# Altium PCB SkyWar.PcbDoc (part 2 of 3) (continued)
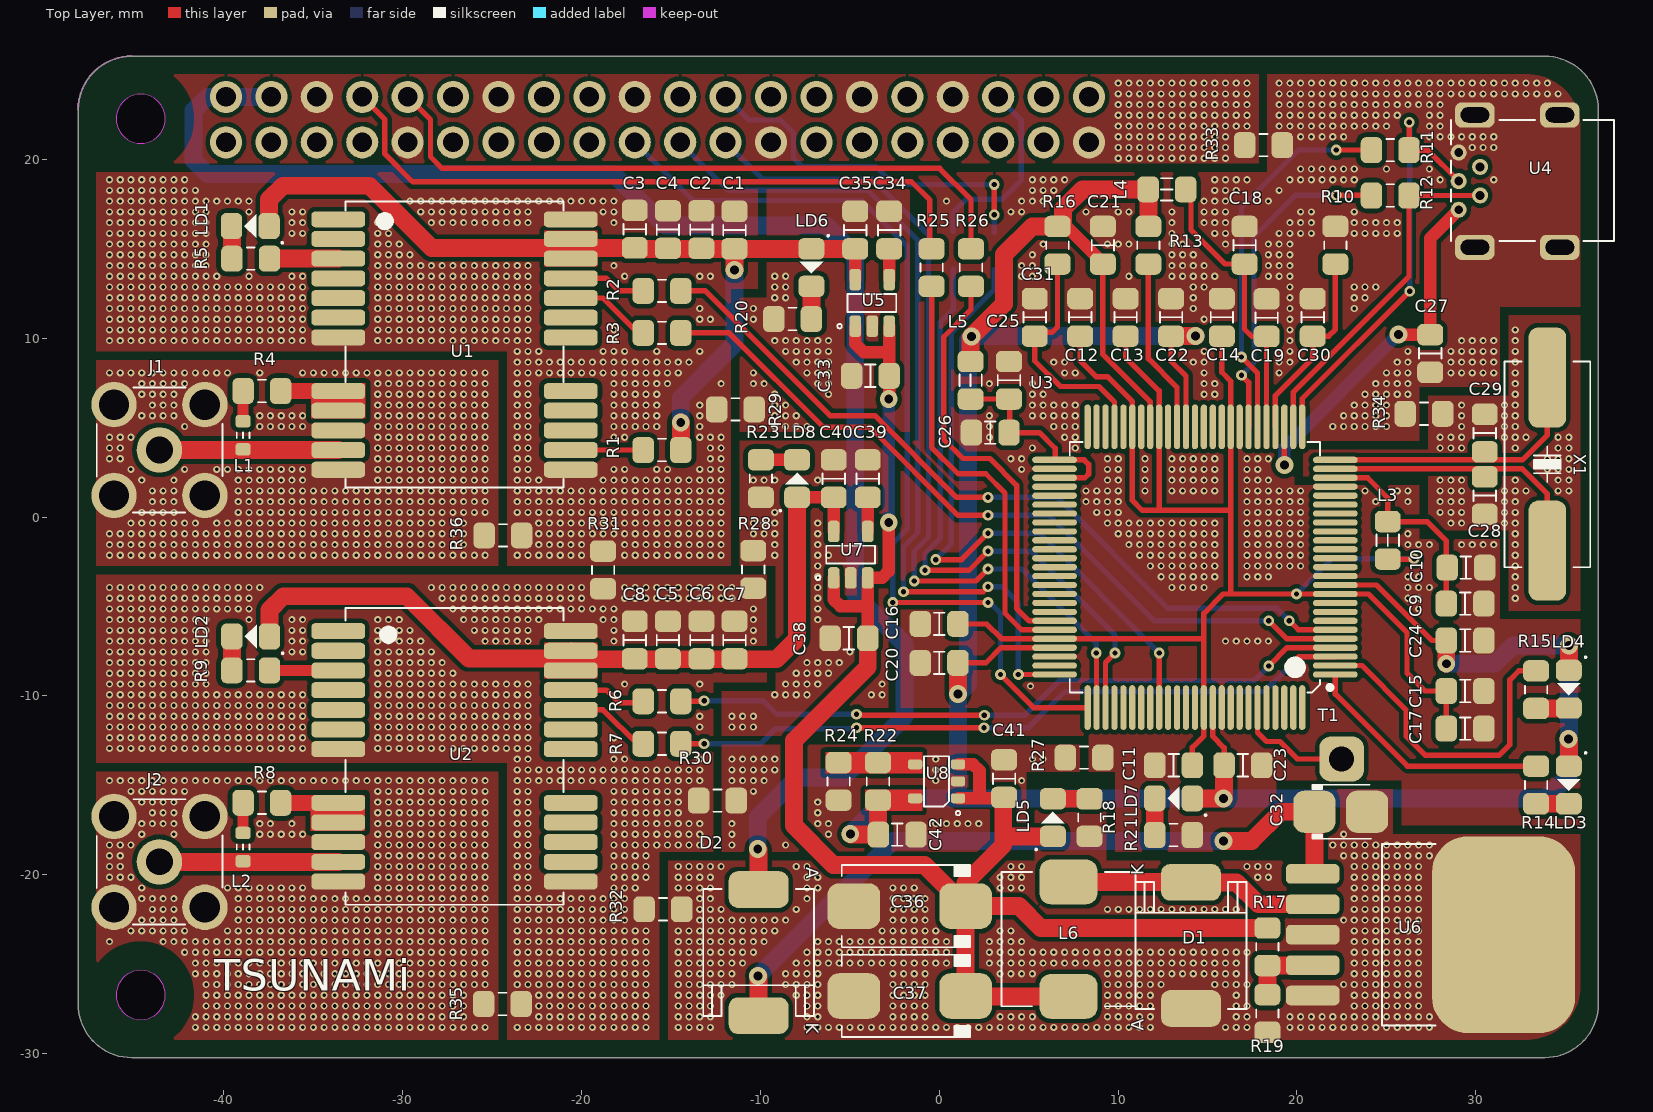
[diagram p0: Top Layer view]
## Nets (pads, with @x,y where several pads share a name; then routed paths per layer and width w, separated by ;. In a path a pad name is that pad's centre, name@x,y a point inside that pad or via, vN(x,y) a via of type N, cw(c..) or ccw(c..) an arc to the next point about the centre after c; other vN are vias at no path point) (continued)
GND_PI: J3.3 J3.7 J3.10 J3.15 J3.17 J3.21 J3.28 J3.36 R33.2
  other v1: 10.004,20.066 10.604,20.066 11.204,20.066 11.804,20.066 12.404,20.066 13.004,20.066 13.604,20.066 14.204,20.066 14.804,20.066 15.404,20.066 16.004,20.066 10.004,20.666 10.604,20.666 11.204,20.666 11.804,20.666 12.404,20.666 13.004,20.666 13.604,20.666 14.204,20.666 14.804,20.666 15.404,20.666 16.004,20.666 10.004,21.266 10.604,21.266 11.204,21.266 11.804,21.266 12.404,21.266 13.004,21.266 13.604,21.266 14.204,21.266 14.804,21.266 15.404,21.266 16.004,21.266 10.004,21.866 10.604,21.866 11.204,21.866 11.804,21.866 12.404,21.866 13.004,21.866 13.604,21.866 14.204,21.866 14.804,21.866 15.404,21.866 16.004,21.866 16.604,21.866 17.204,21.866 10.004,22.466 10.604,22.466 11.204,22.466 11.804,22.466 12.404,22.466 13.004,22.466 13.604,22.466 14.204,22.466 14.804,22.466 15.404,22.466 16.004,22.466 16.604,22.466 17.204,22.466 10.004,23.066 10.604,23.066 11.204,23.066 11.804,23.066 12.404,23.066 13.004,23.066 13.604,23.066 14.204,23.066 14.804,23.066 15.404,23.066 16.004,23.066 16.604,23.066 17.204,23.066 10.004,23.666 10.604,23.666 11.204,23.666 11.804,23.666 12.404,23.666 13.004,23.666 13.604,23.666 14.204,23.666 14.804,23.666 15.404,23.666 16.004,23.666 16.604,23.666 17.204,23.666 10.004,24.266 10.604,24.266 11.204,24.266 11.804,24.266 12.404,24.266 13.004,24.266 13.604,24.266 14.204,24.266 14.804,24.266 15.404,24.266 16.004,24.266 16.604,24.266 17.204,24.266
GND_XTAL: C28.1 C29.1 R34.2
  other v1: 32.204,-4.534 32.204,-3.934 32.204,-3.334 32.204,-2.734 32.204,-2.134 32.204,-1.534 32.204,-0.934 28.604,-0.334 29.204,-0.334 31.604,-0.334 32.204,-0.334 28.004,0.266 28.604,0.266 29.204,0.266 31.604,0.266 32.204,0.266 28.004,0.866 28.604,0.866 29.204,0.866 31.604,0.866 32.204,0.866 28.004,1.466 28.604,1.466 29.204,1.466 31.604,1.466 32.204,1.466 32.804,1.466 34.604,1.466 35.204,1.466 28.004,2.066 28.604,2.066 29.204,2.066 32.204,2.066 34.604,2.066 35.204,2.066 34.004,2.666 34.604,2.666 35.204,2.666 34.004,3.266 34.604,3.266 35.204,3.266 28.004,3.866 28.604,3.866 29.204,3.866 32.204,3.866 34.604,3.866 35.204,3.866 28.004,4.466 28.604,4.466 29.204,4.466 31.604,4.466 32.204,4.466 32.804,4.466 34.604,4.466 35.204,4.466 29.204,5.066 31.604,5.066 32.204,5.066 29.204,5.666 31.604,5.666 32.204,5.666 29.204,6.266 31.604,6.266 32.204,6.266 32.204,6.866 32.204,7.466 32.204,8.066 32.204,8.666 32.204,9.266 32.204,9.866 32.204,10.466
"GPIO 4": J3.37
"GPIO 22": J3.33
"GPIO 27": J3.34
GPIO_5: J3.26
GPIO_6: J3.25
GPIO_12: J3.16
GPIO_13: J3.24
GPIO_16: J3.18 R37.1 | length 10.8
  Bottom Layer w0.3: R37.1@0.775,15.975 0.775,17.025 1.525,17.775 3.525,17.775 4.575,18.825 4.575,22.215 J3.18@3.295,23.495
GPIO_18: J3.6
GPIO_23: J3.8
GPIO_24: J3.9
GPIO_25: J3.11
GPIO_26: J3.22
I2C1_SCL: J3.38
I2C1_SDA: J3.39
NetC34_2: C34.2 U5.4 | length 1.5
  Top Layer w0.7: U5.4@-2.8,13.275 C34.2@-2.8,14.775
NetC39_2: C39.2 U7.4 | length 1.9
  Top Layer w0.7: U7.4@-4,-0.8 C39.2@-4,1.1
NetD1_K: D1.K L6.1 U6.2 | length 14.2
  Top Layer w1: L6.1@7.225,-20.4 14.05,-20.4 D1.K@14.075,-20.425 16.625,-20.425 17.85,-21.65 U6.2@20.875,-21.65
NetJ1_1: J1.1 L1.2 U1.11 | length 10
  Top Layer w1: J1.1@-43.605,3.75 U1.11@-33.605,3.75
NetJ2_1: J2.1 L2.2 U2.11 | length 10
  Top Layer w1: J2.1@-43.605,-19.275 U2.11@-33.605,-19.275
NetL1_1: L1.1 R4.2 | length 1.7
  Top Layer w0.6: L1.1@-38.925,5.363 R4.2@-38.925,7.05
NetL2_1: L2.1 R8.1 | length 1.7
  Top Layer w0.6: L2.1@-38.925,-17.662 R8.1@-38.925,-15.975
NetLD1_2: LD1.2 R5.2 | length 1.8
  Top Layer w1: LD1.2@-39.575,16.275 -39.55,16.25 R5.2@-39.55,14.45
NetLD2_2: LD2.2 R9.2 | length 1.9
  Top Layer w1: R9.2@-39.55,-8.575 LD2.2@-39.55,-6.675
NetLD3_2: LD3.2 R14.2 | length 1.8
  Top Layer w1: R14.2@33.375,-16.025 LD3.2@35.2,-16.025
NetLD4_2: LD4.2 R15.2 | length 1.8
  Top Layer w1: R15.2@33.375,-10.7 35.175,-10.7 LD4.2@35.2,-10.675
NetLD5_2: LD5.2 R18.2 | length 2.1
  Top Layer w1: LD5.2@6.35,-15.75 R18.2@8.4,-15.75
NetLD6_2: LD6.2 R20.2 | length 1.8
  Top Layer w1: R20.2@-7.15,11.075 LD6.2@-7.15,12.9
NetLD7_2: LD7.2 R21.2 | length 2.1
  Top Layer w1: R21.2@12.05,-17.775 LD7.2@12.05,-15.725
NetLD8_2: LD8.2 R23.2 | length 2
  Top Layer w0.7: R23.2@-9.975,3.2 LD8.2@-7.95,3.2
NetR1_2: R1.2 U1.14 | length 4.1
  Top Layer w0.3: U1.14@-20.605,3.75 R1.2@-16.55,3.75
NetR4_1: R4.1 U1.8 U1.9 | length 3.2
  Top Layer w0.9: R4.1@-36.825,7.05 U1.8@-33.605,7.05
NetR8_2: R8.2 U2.8 U2.9 | length 3.2
  Top Layer w0.9: R8.2@-36.825,-15.975 U2.8@-33.605,-15.975
NetR13_2: R13.2 U3.40 | length 9.8
  Top Layer w0.3: R13.2@11.69,14.15 11.69,8.86 13.295,7.255 U3.40@13.295,5.05
NetR17_1: R17.1 R19.2 U6.4 | length 4
  Top Layer w1: R19.2@18.35,-26.7 R17.1@18.35,-25.225 ; R17.1@18.35,-25.075 20.85,-25.075 U6.4@20.875,-25.05
NetR22_2: R22.2 R24.1 U8.4 | length 0.2
  Top Layer w1: R22.2@-3.4,-13.7 R22.2@-3.275,-13.825
NRESET: C31.2 R16.1 U3.47 | length 12.8
  Top Layer w0.3: C31.2@5.34,10.12 5.34,8.735 6.775,7.3 8.925,7.3 9.795,6.43 U3.47@9.795,5.05 ; C31.2@5.64,10.34 6.325,10.34 6.61,10.625 R16.1@6.61,14.15
PWR_GND: C41.2 C42.2 R24.2 R27.1 R30.2 U8.2
  other v1: -11.596,-18.334 -8.596,-18.334 -11.596,-17.734 -6.196,-17.734 -11.596,-17.134 -6.796,-17.134 -6.196,-17.134 -0.196,-17.134 0.404,-17.134 1.004,-17.134 1.604,-17.134 2.204,-17.134 -6.796,-16.534 -6.796,-15.934 -10.396,-15.334 -11.596,-14.734 -10.996,-14.734 -10.396,-14.734 -9.796,-14.734 -0.196,-14.734 4.604,-14.734 -11.596,-14.134 -10.996,-14.134 -10.396,-14.134 -9.796,-14.134 -9.196,-14.134 -0.196,-14.134 -11.596,-13.534 -10.996,-13.534 -10.396,-13.534 -9.796,-13.534 -9.196,-13.534 -0.196,-13.534 5.204,-13.534 5.804,-13.534
PWR_GND_6M: C38.1 C39.1 C40.1 R23.1 R28.1 U7.2
  other v1: -11.596,-11.734 -10.996,-11.734 -10.396,-11.734 -11.596,-11.134 -10.996,-11.134 -10.396,-11.134 -9.196,-9.934 -8.596,-9.934 -7.996,-9.934 -7.396,-9.934 -3.796,-9.934 -3.196,-9.934 -8.596,-9.334 -7.996,-9.334 -7.396,-9.334 -6.796,-9.334 -3.196,-9.334 -7.996,-8.734 -7.396,-8.734 -6.796,-8.734 -6.196,-8.734 -7.396,-8.134 -6.796,-8.134 -6.196,-8.134 -5.596,-8.134 -4.996,-7.534 -6.796,-5.734 -6.796,-5.134 -6.796,-4.534 -6.796,-3.934 -6.796,-3.334 -6.796,-2.734 -9.196,-2.134 -6.796,-2.134 -6.196,-2.134 -9.196,-1.534 -6.796,-1.534 -10.396,-0.934 -9.796,-0.934 -9.196,-0.934 -6.796,-0.934 -10.396,-0.334 -9.796,-0.334 -9.196,-0.334 -6.796,-0.334 -9.196,0.266 -10.396,2.066 -9.796,2.066 -9.196,2.066 -6.796,2.066
PWR_GND_7M: C33.1 C34.1 C35.1 R20.1 R29.1 U5.2
  other v1: -9.196,5.066 -8.596,5.066 -7.996,5.066 -7.396,5.066 -9.196,5.666 -8.596,5.666 -7.996,5.666 -9.196,6.266 -8.596,6.266 -9.196,6.866 -6.196,6.866 -10.396,7.466 -9.796,7.466 -6.796,7.466 -6.196,7.466 -10.396,8.066 -7.396,8.066 -6.796,8.066 -6.196,8.066 -7.996,8.666 -7.396,8.666 -6.796,8.666 -6.196,8.666 -8.596,9.266 -7.996,9.266 -7.396,9.266 -6.796,9.266 -6.196,9.266 -9.196,9.866 -8.596,9.866 -7.996,9.866 -7.396,9.866 -6.796,9.866 -6.196,9.866 -10.396,11.066 -10.396,11.666 -9.196,12.266 -8.596,12.266 -9.196,12.866 -8.596,12.866 -9.196,13.466 -8.596,13.466
PWR_GND_MAIN: C32.2 C36.2 C37.2 D1.A R18.1 R19.1 R32.1 U6.3 U6.5
  other v1: -14.596,-28.534 -13.996,-28.534 -13.396,-28.534 -12.796,-28.534 -7.396,-28.534 -6.796,-28.534 -6.196,-28.534 -5.596,-28.534 -4.996,-28.534 -4.396,-28.534 -3.796,-28.534 -3.196,-28.534 -2.596,-28.534 -1.996,-28.534 -1.396,-28.534 -0.796,-28.534 -0.196,-28.534 0.404,-28.534 1.004,-28.534 1.604,-28.534 2.204,-28.534 2.804,-28.534 3.404,-28.534 4.004,-28.534 4.604,-28.534 5.204,-28.534 5.804,-28.534 6.404,-28.534 7.004,-28.534 7.604,-28.534 8.204,-28.534 8.804,-28.534 9.404,-28.534 10.004,-28.534 10.604,-28.534 11.204,-28.534 11.804,-28.534 16.004,-28.534 16.604,-28.534 17.204,-28.534 19.604,-28.534 20.204,-28.534 20.804,-28.534 21.404,-28.534 22.004,-28.534 22.604,-28.534 23.204,-28.534 23.804,-28.534 24.404,-28.534 25.004,-28.534 25.604,-28.534 26.204,-28.534 26.804,-28.534 27.404,-28.534 -14.596,-27.934 -13.996,-27.934 -13.396,-27.934 -12.796,-27.934 -7.396,-27.934 -6.796,-27.934 -2.596,-27.934 -1.996,-27.934 -1.396,-27.934 -0.796,-27.934 3.404,-27.934 4.004,-27.934 4.604,-27.934 5.204,-27.934 9.404,-27.934 10.004,-27.934 10.604,-27.934 11.204,-27.934 11.804,-27.934 16.604,-27.934 17.204,-27.934 19.604,-27.934 20.204,-27.934 20.804,-27.934 21.404,-27.934 22.004,-27.934 22.604,-27.934 23.204,-27.934 23.804,-27.934 24.404,-27.934 25.004,-27.934 25.604,-27.934 26.204,-27.934 26.804,-27.934 27.404,-27.934 -14.596,-27.334 -13.996,-27.334 -13.396,-27.334 -12.796,-27.334 -7.396,-27.334 -6.796,-27.334 -2.596,-27.334 -1.996,-27.334 -1.396,-27.334 -0.796,-27.334 9.404,-27.334 10.004,-27.334 10.604,-27.334 11.204,-27.334 11.804,-27.334 16.604,-27.334 17.204,-27.334 23.204,-27.334 23.804,-27.334 24.404,-27.334 25.004,-27.334 25.604,-27.334 26.204,-27.334 26.804,-27.334 -14.596,-26.734 -13.996,-26.734 -13.396,-26.734 -12.796,-26.734 -12.196,-26.734 -7.996,-26.734 -7.396,-26.734 -6.796,-26.734 -2.596,-26.734 -1.996,-26.734 -1.396,-26.734 -0.796,-26.734 9.404,-26.734 10.004,-26.734 10.604,-26.734 11.204,-26.734 11.804,-26.734 16.604,-26.734 23.204,-26.734 23.804,-26.734 24.404,-26.734 25.004,-26.734 25.604,-26.734 26.204,-26.734 26.804,-26.734 -14.596,-26.134 -13.996,-26.134 -13.396,-26.134 -12.796,-26.134 -12.196,-26.134 -11.596,-26.134 -8.596,-26.134 -7.996,-26.134 -7.396,-26.134 -6.796,-26.134 -2.596,-26.134 -1.996,-26.134 -1.396,-26.134 -0.796,-26.134 9.404,-26.134 10.004,-26.134 10.604,-26.134 11.204,-26.134 11.804,-26.134 12.404,-26.134 15.404,-26.134 16.004,-26.134 16.604,-26.134 17.204,-26.134 22.604,-26.134 23.204,-26.134 23.804,-26.134 24.404,-26.134 25.004,-26.134 25.604,-26.134 26.204,-26.134 26.804,-26.134 -14.596,-25.534 -13.996,-25.534 -13.396,-25.534 -12.796,-25.534 -12.196,-25.534 -11.596,-25.534 -8.596,-25.534 -7.996,-25.534 -7.396,-25.534 -6.796,-25.534 -2.596,-25.534 -1.996,-25.534 -1.396,-25.534 -0.796,-25.534 3.404,-25.534 4.004,-25.534 4.604,-25.534 5.204,-25.534 9.404,-25.534 10.004,-25.534 10.604,-25.534 11.204,-25.534 11.804,-25.534 12.404,-25.534 13.004,-25.534 13.604,-25.534 14.204,-25.534 14.804,-25.534 15.404,-25.534 16.004,-25.534 16.604,-25.534 23.204,-25.534 23.804,-25.534 24.404,-25.534 25.004,-25.534 25.604,-25.534 26.204,-25.534 26.804,-25.534 -14.596,-24.934 -13.996,-24.934 -13.396,-24.934 -12.796,-24.934 -12.196,-24.934 -11.596,-24.934 -10.996,-24.934 -7.996,-24.934 -7.396,-24.934 -6.796,-24.934 -6.196,-24.934 -5.596,-24.934 -4.996,-24.934 -4.396,-24.934 -3.796,-24.934 -3.196,-24.934 -2.596,-24.934 -1.996,-24.934 -1.396,-24.934 -0.796,-24.934 -0.196,-24.934 0.404,-24.934 2.804,-24.934 3.404,-24.934 4.004,-24.934 4.604,-24.934 5.204,-24.934 5.804,-24.934 6.404,-24.934 7.004,-24.934 7.604,-24.934 8.204,-24.934 8.804,-24.934 9.404,-24.934 10.004,-24.934 10.604,-24.934 11.204,-24.934 11.804,-24.934 12.404,-24.934 13.004,-24.934 13.604,-24.934 14.204,-24.934 14.804,-24.934 15.404,-24.934 16.004,-24.934 16.604,-24.934 23.204,-24.934 23.804,-24.934 24.404,-24.934 25.004,-24.934 25.604,-24.934 26.204,-24.934 26.804,-24.934 -14.596,-24.334 -13.996,-24.334 -13.396,-24.334 -12.796,-24.334 -12.196,-24.334 -11.596,-24.334 -10.996,-24.334 -10.396,-24.334 -7.396,-24.334 -6.796,-24.334 -6.196,-24.334 -5.596,-24.334 -4.996,-24.334 -4.396,-24.334 -3.796,-24.334 -3.196,-24.334 -2.596,-24.334 -1.996,-24.334 -1.396,-24.334 -0.796,-24.334 -0.196,-24.334 0.404,-24.334 2.804,-24.334 3.404,-24.334 4.004,-24.334 4.604,-24.334 5.204,-24.334 5.804,-24.334 6.404,-24.334 7.004,-24.334 7.604,-24.334 8.204,-24.334 8.804,-24.334 9.404,-24.334 10.004,-24.334 10.604,-24.334 11.204,-24.334 11.804,-24.334 12.404,-24.334 13.004,-24.334 13.604,-24.334 14.204,-24.334 14.804,-24.334 15.404,-24.334 16.004,-24.334 16.604,-24.334 17.204,-24.334 23.204,-24.334 23.804,-24.334 24.404,-24.334 25.004,-24.334 25.604,-24.334 26.204,-24.334 26.804,-24.334 -14.596,-23.734 -13.996,-23.734 -13.396,-23.734 -12.796,-23.734 -12.196,-23.734 -11.596,-23.734 -10.996,-23.734 -10.396,-23.734 -9.796,-23.734 -6.796,-23.734 -6.196,-23.734 -5.596,-23.734 -4.996,-23.734 -4.396,-23.734 -3.796,-23.734 -3.196,-23.734 -2.596,-23.734 -1.996,-23.734 -1.396,-23.734 -0.796,-23.734 -0.196,-23.734 0.404,-23.734 2.804,-23.734 3.404,-23.734 4.004,-23.734 4.604,-23.734 23.204,-23.734 23.804,-23.734 24.404,-23.734 25.004,-23.734 25.604,-23.734 26.204,-23.734 26.804,-23.734 -14.596,-23.134 -13.996,-23.134 -13.396,-23.134 -12.796,-23.134 -12.196,-23.134 -11.596,-23.134 -10.996,-23.134 -10.396,-23.134 -9.796,-23.134 -9.196,-23.134 -3.196,-23.134 -2.596,-23.134 -1.996,-23.134 -1.396,-23.134 -0.796,-23.134 -0.196,-23.134 3.404,-23.134 4.004,-23.134 23.204,-23.134 23.804,-23.134 24.404,-23.134 25.004,-23.134 25.604,-23.134 26.204,-23.134 26.804,-23.134 -13.396,-22.534 -12.796,-22.534 -12.196,-22.534 -11.596,-22.534 -10.996,-22.534 -10.396,-22.534 -9.796,-22.534 -9.196,-22.534 -8.596,-22.534 -2.596,-22.534 -1.996,-22.534 -1.396,-22.534 -0.796,-22.534 22.604,-22.534 23.204,-22.534 23.804,-22.534 24.404,-22.534 25.004,-22.534 25.604,-22.534 26.204,-22.534 26.804,-22.534 -13.396,-21.934 -12.796,-21.934 -12.196,-21.934 -7.996,-21.934 -2.596,-21.934 -1.996,-21.934 -1.396,-21.934 -0.796,-21.934 9.404,-21.934 10.004,-21.934 10.604,-21.934 11.204,-21.934 11.804,-21.934 12.404,-21.934 13.004,-21.934 13.604,-21.934 14.204,-21.934 14.804,-21.934 15.404,-21.934 16.004,-21.934 16.604,-21.934 23.204,-21.934 23.804,-21.934 24.404,-21.934 25.004,-21.934 25.604,-21.934 26.204,-21.934 26.804,-21.934 -13.396,-21.334 -12.796,-21.334 -7.396,-21.334 -2.596,-21.334 -1.996,-21.334 -1.396,-21.334 -0.796,-21.334 23.204,-21.334 23.804,-21.334 24.404,-21.334 25.004,-21.334 25.604,-21.334 26.204,-21.334 26.804,-21.334 -14.596,-20.734 -13.996,-20.734 -13.396,-20.734 -12.796,-20.734 -7.396,-20.734 -6.796,-20.734 -2.596,-20.734 -1.996,-20.734 -1.396,-20.734 3.404,-20.734 4.004,-20.734 4.604,-20.734 23.204,-20.734 23.804,-20.734 24.404,-20.734 25.004,-20.734 25.604,-20.734 26.204,-20.734 26.804,-20.734 -14.596,-20.134 -13.996,-20.134 -13.396,-20.134 -12.796,-20.134 -7.396,-20.134 -6.796,-20.134 3.404,-20.134 4.004,-20.134 4.604,-20.134 17.804,-20.134 18.404,-20.134 23.204,-20.134 23.804,-20.134 24.404,-20.134 25.004,-20.134 25.604,-20.134 26.204,-20.134 26.804,-20.134 -14.596,-19.534 -13.996,-19.534 -13.396,-19.534 -12.796,-19.534 -12.196,-19.534 -7.996,-19.534 -7.396,-19.534 4.004,-19.534 4.604,-19.534 17.204,-19.534 17.804,-19.534 18.404,-19.534 23.204,-19.534 23.804,-19.534 24.404,-19.534 25.004,-19.534 25.604,-19.534 26.204,-19.534 26.804,-19.534 22.604,-18.934 23.204,-18.934 23.804,-18.934 24.404,-18.934 25.004,-18.934 25.604,-18.934 26.204,-18.934 26.804,-18.934 27.404,-18.934 22.004,-18.334 22.604,-18.334 23.204,-18.334 23.804,-18.334 24.404,-18.334 25.004,-18.334 25.604,-18.334 26.204,-18.334 26.804,-18.334 27.404,-18.334 22.604,-17.734
RLED: R14.1 U3.1 | length 14
  Top Layer w0.3: U3.1@22.145,-8.8 22.145,-9.895 26.175,-13.925 R14.1@33.375,-13.925
RX0_6M: R7.2 U3.3 | length 38.5
  Top Layer w0.3: R7.2@-14.45,-12.675 v2@-13.3,-12.675 ; v2(-4.625,-11.775) v2(2.5,-11.775) ; v2(19.575,-8.35) 20.125,-7.8 U3.3@22.145,-7.8
  Bottom Layer w0.3: v2(-13.15,-12.675) -10,-12.675 -9.15,-11.825 -4.675,-11.825 v2(-4.625,-11.775) ; v2(2.5,-11.775) 5,-11.775 7.016,-9.759 18.166,-9.759 v2(19.575,-8.35)
RX1_7M: R3.2 U3.5 | length 43.7
  Top Layer w0.3: R3.2@-14.45,10.3 -11.75,10.3 -6.475,5.025 -3.875,5.025 1.05,0.1 v2(2.725,0.1) ; v2(18.425,-5.8) 19.425,-6.8 U3.5@22.145,-6.8
  Bottom Layer w0.3: v2(2.725,0.1) 6.125,0.1 12.025,-5.8 v2(18.425,-5.8)
RXD2: R25.2 U3.70 | length 24
  Top Layer w0.3: R25.2@-0.425,12.9 -0.425,3.9 1.05,2.425 2.6,2.425 3.675,1.35 3.675,-5.375 4.6,-6.3 U3.70@6.445,-6.3
SPI0_CS0: J3.12 R38.1 | length 20.5
  Top Layer w0.3: v2(3.075,16.9) v2(3.075,18.6)
  Bottom Layer w0.3: J3.12@-11.945,23.495 -10.65,22.2 -8.875,22.2 -8.15,21.475 -8.15,20.075 -7.675,19.6 -3.55,19.6 -2.55,18.6 v2(3.075,18.6) ; R38.1@3.075,15.925 v2(3.075,16.9)
SPI0_CS1: J3.13
SPI0_MISO: J3.30 U3.75 | length 48.5
  Top Layer w0.3: v2(-2,-4.175) 2.45,-4.175 v2(2.725,-3.9) ; v2(4.425,-8.8) U3.75@6.445,-8.8
  Bottom Layer w0.3: J3.30@-14.485,20.955 -11.805,18.275 -4,18.275 -1.2,15.475 -1.2,-0.875 -2,-1.675 v2(-2,-4.175) ; v2(2.725,-3.9) 3.525,-3.9 4.425,-4.8 v2(4.425,-8.8)
SPI0_MOSI: J3.31 U3.76 | length 53.2
  Top Layer w0.3: v2(-2.6,-4.775) v2(2.725,-4.775) ; v2(3.425,-8.8) 5.275,-10.65 U3.76@8.295,-10.65
  Bottom Layer w0.3: J3.31@-17.025,20.955 -13.77,17.7 -4.35,17.7 -1.8,15.15 -1.8,-0.675 -2.6,-1.475 v2(-2.6,-4.775) ; v2@2.725,-4.9 2.95,-4.9 3.425,-5.375 v2(3.425,-8.8)
SPI0_NPCS0: R37.2 U3.78 | length 34.8
  Top Layer w0.3: v2(-0.8,-2.975) 1.65,-2.975 v2(2.725,-1.9) ; U3.78@9.295,-10.65 9.295,-8.134 v2(9.829,-7.6)
  Bottom Layer w0.3: v2(-0.8,-2.975) -0.8,-2.05 0.05,-1.2 0.05,10.875 0.775,11.6 R37.2@0.775,13.875 ; v2(2.725,-1.9) 5.125,-1.9 9.829,-6.604 v2(9.829,-7.6)
SPI0_PI_SEL: R38.2 U3.84 | length 36.4
  Top Layer w0.3: v2(-0.2,-2.375) 1.25,-2.375 v2(2.725,-0.9) ; U3.84@12.295,-10.65 v2@12.295,-7.73
  Bottom Layer w0.3: v2(-0.2,-2.375) 0.675,-1.5 0.675,10.325 3.075,12.725 R38.2@3.075,13.825 ; v2(2.725,-0.9) 5.595,-0.9 v2(12.295,-7.6)
SPI0_SCLK: J3.29 U3.77 | length 49
  Top Layer w0.3: v2(-1.4,-3.575) 2.05,-3.575 v2(2.725,-2.9) ; v2(8.775,-7.6) 8.8,-7.6 8.795,-7.605 U3.77@8.795,-10.65
  Bottom Layer w0.3: J3.29@-11.945,20.955 -9.89,18.9 -3.725,18.9 -0.6,15.775 -0.6,-1.1 -1.4,-1.9 v2(-1.4,-3.575) ; v2(2.725,-2.9) 4.625,-2.9 8.775,-7.05 v2(8.775,-7.6)
SPI1_CS0: J3.35
SPI1_MISO: J3.23
SPI1_MOSI: J3.19
SPI1_SCLK: J3.20
TX0_6M: R6.2 U3.4 | length 38.5
  Top Layer w0.3: R6.2@-14.45,-10.3 -13.175,-10.3 v2(-13.15,-10.275) ; v2(-4.625,-11.025) -4.575,-11.075 v2(2.525,-11.075) ; v2(18.425,-8.325) 19.45,-7.3 U3.4@22.145,-7.3
  Bottom Layer w0.3: v2(-13.15,-10.275) -9.825,-10.275 -9.075,-11.025 v2(-4.625,-11.025) ; v2(2.525,-11.075) 4.789,-11.075 6.729,-9.134 17.616,-9.134 v2(18.425,-8.325)
TX1_7M: R2.2 U3.6 | length 44.4
  Top Layer w0.3: R2.2@-14.45,12.65 -13.075,12.65 -6.1,5.675 -3.6,5.675 0.975,1.1 v2(2.725,1.1) ; v2(19.575,-5.8) 20.075,-6.3 U3.6@22.145,-6.3
  Bottom Layer w0.3: v2(2.725,1.1) 6.6,1.1 12.8,-5.1 18.875,-5.1 v2(19.575,-5.8)
TXD2: R26.2 U3.69 | length 23.6
  Top Layer w0.3: R26.2@1.775,12.9 1.775,11.6 0.25,10.075 0.25,4.35 1.325,3.275 2.825,3.275 4.325,1.775 4.325,-5.1 5.025,-5.8 U3.69@6.445,-5.8
UART0_RX: J3.5 R26.1 | length 37.8
  Top Layer w0.3: J3.5@-29.725,23.495 -28.45,22.22 -28.45,20.15 -27.8,19.5 0.025,19.5 1.775,17.75 R26.1@1.775,15
UART0_TX: J3.4 R25.1 | length 38
  Top Layer w0.3: J3.4@-32.265,23.495 -31,22.23 -31,20.3 -29.45,18.75 -1.55,18.75 -0.525,17.725 -0.525,15.1 R25.1@-0.425,15
USB_D+: R11.2 U3.26 U4.3 | length 24.5
  Top Layer w0.3: U3.26@20.295,5.05 20.295,6.62 v2(26.3,12.625) ; R11.2@26.265,20.52 27.31,20.52 U4.3@29.045,18.785 ; R11.2@26.28,20.535 v2(26.28,22.07)
  Bottom Layer w0.3: v2(26.28,22.07) 26.3,22.05 v2(26.3,12.625)
USB_D-: R12.2 U3.27 U4.2 | length 19.6
  Top Layer w0.3: U3.27@19.795,5.05 19.795,6.995 26.265,13.465 R12.2@26.265,17.98 U4.2@30.24,17.98
VBG: C30.2 R10.2 U3.29 | length 11
  Top Layer w0.3: U3.29@18.795,5.05 18.795,6.795 20.88,8.88 C30.2@20.88,10.12 21.77,10.12 22.15,10.5 R10.2@22.15,14.15
VBUS: C27.1 U3.28 U4.1 | length 21.5
  Top Layer w0.3: v3(19.295,2.905) U3.28@19.295,5.05
  Top Layer w0.7: v3(25.675,10.2) C27.1@27.45,10.2 27.45,15.59 U4.1@29.045,17.185
  Bottom Layer w0.7: v3(19.295,2.905) 19.295,3.845 v3@25.663,10.212
VDDANA: C25.2 C26.2 L5.2 U3.51 U3.53 | length 11.7
  Top Layer w0.3: L5.2@1.75,6.6 C25.2@3.9,6.6 ; C26.2@3.9,4.725 C26.2@3.95,4.725 ; C25.2@3.95,6.15 C26.2@3.95,4.725 ; U3.53@6.445,2.2 8.15,2.2 8.35,2.4 8.35,2.95 8.1,3.2 U3.51@6.445,3.2 6.475,3.23 6.475,3.85 5.6,4.725 C26.2@3.95,4.725
VDDOUT: C11.2 C12.2 C13.2 C14.2 C15.2 C16.2 C17.2 L3.1 U3.10 U3.34 U3.42 U3.45 U3.71 U3.89 | length 93.1
  Top Layer w0.3: C16.2@1.045,-5.975 2.65,-5.975 3.475,-6.8 U3.71@6.445,-6.8 14.795,-6.8 ; C12.2@7.88,10.12 7.88,8.745 8.775,7.85 9.4,7.85 10.795,6.455 U3.45@10.795,5.05 10.795,0.93 11.35,0.375 12.35,0.375 ; C13.2@10.42,10.12 10.42,8.93 12.295,7.055 U3.42@12.295,5.05 12.295,0.43 12.35,0.375 ; C11.2@14.15,-13.875 14.15,-12.875 14.795,-12.23 U3.89@14.795,-10.65 14.795,-6.8 ; C14.2@15.8,10.12 15.8,8.1 16.295,7.605 U3.34@16.295,5.05 16.295,0.375 ; L3.1@25.075,-2.35 26.525,-2.35 v2(26.55,-2.325) ; C17.2@28.35,-11.825 C15.2@28.35,-9.725 27.15,-9.725 26.15,-8.725 26.15,-6.45 24,-4.3 U3.10@22.145,-4.3 v2(19.975,-4.3) 16.35,-4.3 ; 12.35,0.375 16.295,0.375 ; 14.795,-6.8 14.795,-5.38 15.875,-4.3 16.35,-4.3 ; 16.295,0.375 16.295,-4.245 16.35,-4.3
  Bottom Layer w0.3: v2(19.975,-4.3) 21.95,-2.325 v2(26.55,-2.325)
VDDPLL: C9.2 C10.2 L3.2 U3.23 | length 12
  Top Layer w0.3: U3.23@22.145,2.2 23.95,2.2 25.075,1.075 L3.2@25.075,-0.25 27.275,-0.25 28.35,-1.325 28.35,-2.3 C9.2@28.35,-4.84
VDDUTMI: C18.2 C19.2 L4.2 U3.30 | length 16.1
  Top Layer w0.3: L4.2@14.075,18.32 14.075,16.05 15.975,14.15 C18.2@17.07,14.15 17.07,10.505 17.475,10.1 C19.2@18.3,10.1 ; U3.30@18.295,5.05 C19.2@18.295,10.095
VIN: C32.1 D2.K U6.1 | length 40.6
  Top Layer w1: v3(-10.125,-25.65) -10.1,-25.675 D2.K@-10.1,-27.875 ; v3@16,-18.1 17.475,-18.1 19.1,-16.475 C32.1@20.975,-16.475 20.975,-19.85 U6.1@20.875,-19.95
  Bottom Layer w1: v3(-10.125,-25.65) -2.575,-18.1 v3(15.9,-18.1)
XIN: C29.2 U3.25 X1.2 | length 15.6
  Top Layer w0.3: U3.25@22.145,3.2 32.6,3.2 34,4.6 X1.2@34,7.8
XOUT: C28.2 U3.24 X1.1 | length 15.6
  Top Layer w0.3: U3.24@22.145,2.7 32.6,2.7 34,1.3 X1.1@34,-1.875
pads on no net: J3.14 J3.27 J3.32 J3.40 U1.1 U1.2 U1.4 U1.5 U1.6 U1.15 U1.16 U1.17 U1.18 U1.19 U2.1 U2.2 U2.4 U2.5 U2.6 U2.14 U2.15 U2.16 U2.17 U2.18 U2.19 U3.7 U3.8 U3.9 U3.13 U3.14 U3.15 U3.16 U3.17 U3.18 U3.19 U3.20 U3.21 U3.35 U3.36 U3.37 U3.38 U3.46 U3.48 U3.49 U3.50 U3.54 U3.55 U3.56 U3.57 U3.58 U3.59 U3.60 U3.61 U3.62 U3.63 U3.64 U3.65 U3.66 U3.67 U3.68 U3.74 U3.79 U3.80 U3.81 U3.82 U3.83 U3.85 U3.86 U3.87 U3.88 U3.92 U3.93 U3.94 U3.96 U3.97 U3.98 U3.99 U3.100 U4.4

## Polygon pours and split planes (outlines as drawn)
PWR_GND_MAIN on Top Layer "Mechanical 1-No Net" (solid, pour order 2): -15.15,-29.225 35.85,-29.225 35.85,-17.725 25.35,-17.725 25.35,-15.225 19.35,-15.225 19.35,-19.225 9.35,-19.225 9.35,-14.725 5.35,-14.725 5.35,-19.225 -15.15,-19.225
GND_XTAL on Top Layer "GND_XTAL_L01_P008" (solid, pour order 8): 31.85,-5.225 35.85,-5.225 35.85,11.275 31.85,11.275 31.85,6.775 27.35,6.775 27.35,3.775 20.35,3.775 20.35,2.275 27.35,2.275 27.35,-0.725 31.75,-0.725 31.85,-0.725 31.85,-0.825
PWR_GND_6M on Top Layer "PWR_GND_6M_L01_P010" (solid, pour order 10): -12.15,-12.225 -2.85,-12.225 -2.85,4.275 -11.15,4.275 -11.15,-2.725 -9.15,-2.725 -9.15,-9.725 -12.15,-9.725
GND on Top Layer "GND_L01_P012" (solid, pour order 12): -2.15,-12.225 8.35,-12.225 8.35,-14.225 9.85,-14.225 9.85,-18.725 18.85,-18.725 18.85,-14.725 25.85,-14.725 25.85,-17.225 35.85,-17.225 35.85,-5.725 31.35,-5.725 31.35,-1.225 26.85,-1.225 26.85,1.775 19.85,1.775 19.85,4.275 26.85,4.275 26.85,7.275 31.35,7.275 31.35,11.775 35.85,11.775 35.85,24.775 18.35,24.775 18.35,19.275 -1.15,19.275 -1.15,4.275 -2.15,4.275
PWR_GND on Top Layer "PWR_GND_L01_P015" (solid, pour order 15): -12.15,-18.725 4.85,-18.725 4.85,-14.225 7.85,-14.225 7.85,-12.725 -12.15,-12.725
GND_PI on Top Layer "GND_PI_L01_P017" (solid, pour order 17): -47.15,19.775 17.85,19.775 17.85,24.775 -47.15,24.775
GND_6M on Top Layer "GND_6M_L01_P019" (solid, pour order 19): -24.15,-29.225 -15.65,-29.225 -15.65,-18.725 -12.65,-18.725 -12.65,-9.225 -9.65,-9.225 -9.65,-3.225 -47.15,-3.225 -47.15,-13.725 -24.15,-13.725
GND_7M on Top Layer "GND_7M_L01_P022" (solid, pour order 22): -47.15,9.275 -24.15,9.275 -24.15,-2.725 -11.65,-2.725 -11.65,12.775 -10.15,12.775 -10.15,19.275 -47.15,19.275
GND_ANT_6M on Top Layer "GND_ANT_6M_L01_P025" (solid, pour order 25): -47.15,-29.225 -24.65,-29.225 -24.65,-14.225 -47.15,-14.225
GND_ANT_7M on Top Layer "GND_ANT_7M_L01_P028" (solid, pour order 28): -47.15,-2.725 -24.65,-2.725 -24.65,8.775 -47.15,8.775
PWR_GND_7M on Top Layer "PWR_GND_7M_L01_P030" (solid, pour order 30): -11.15,4.775 -1.65,4.775 -1.65,19.275 -9.65,19.275 -9.65,12.275 -11.15,12.275